# KiCad board IotFan.kicad_pcb (continued)
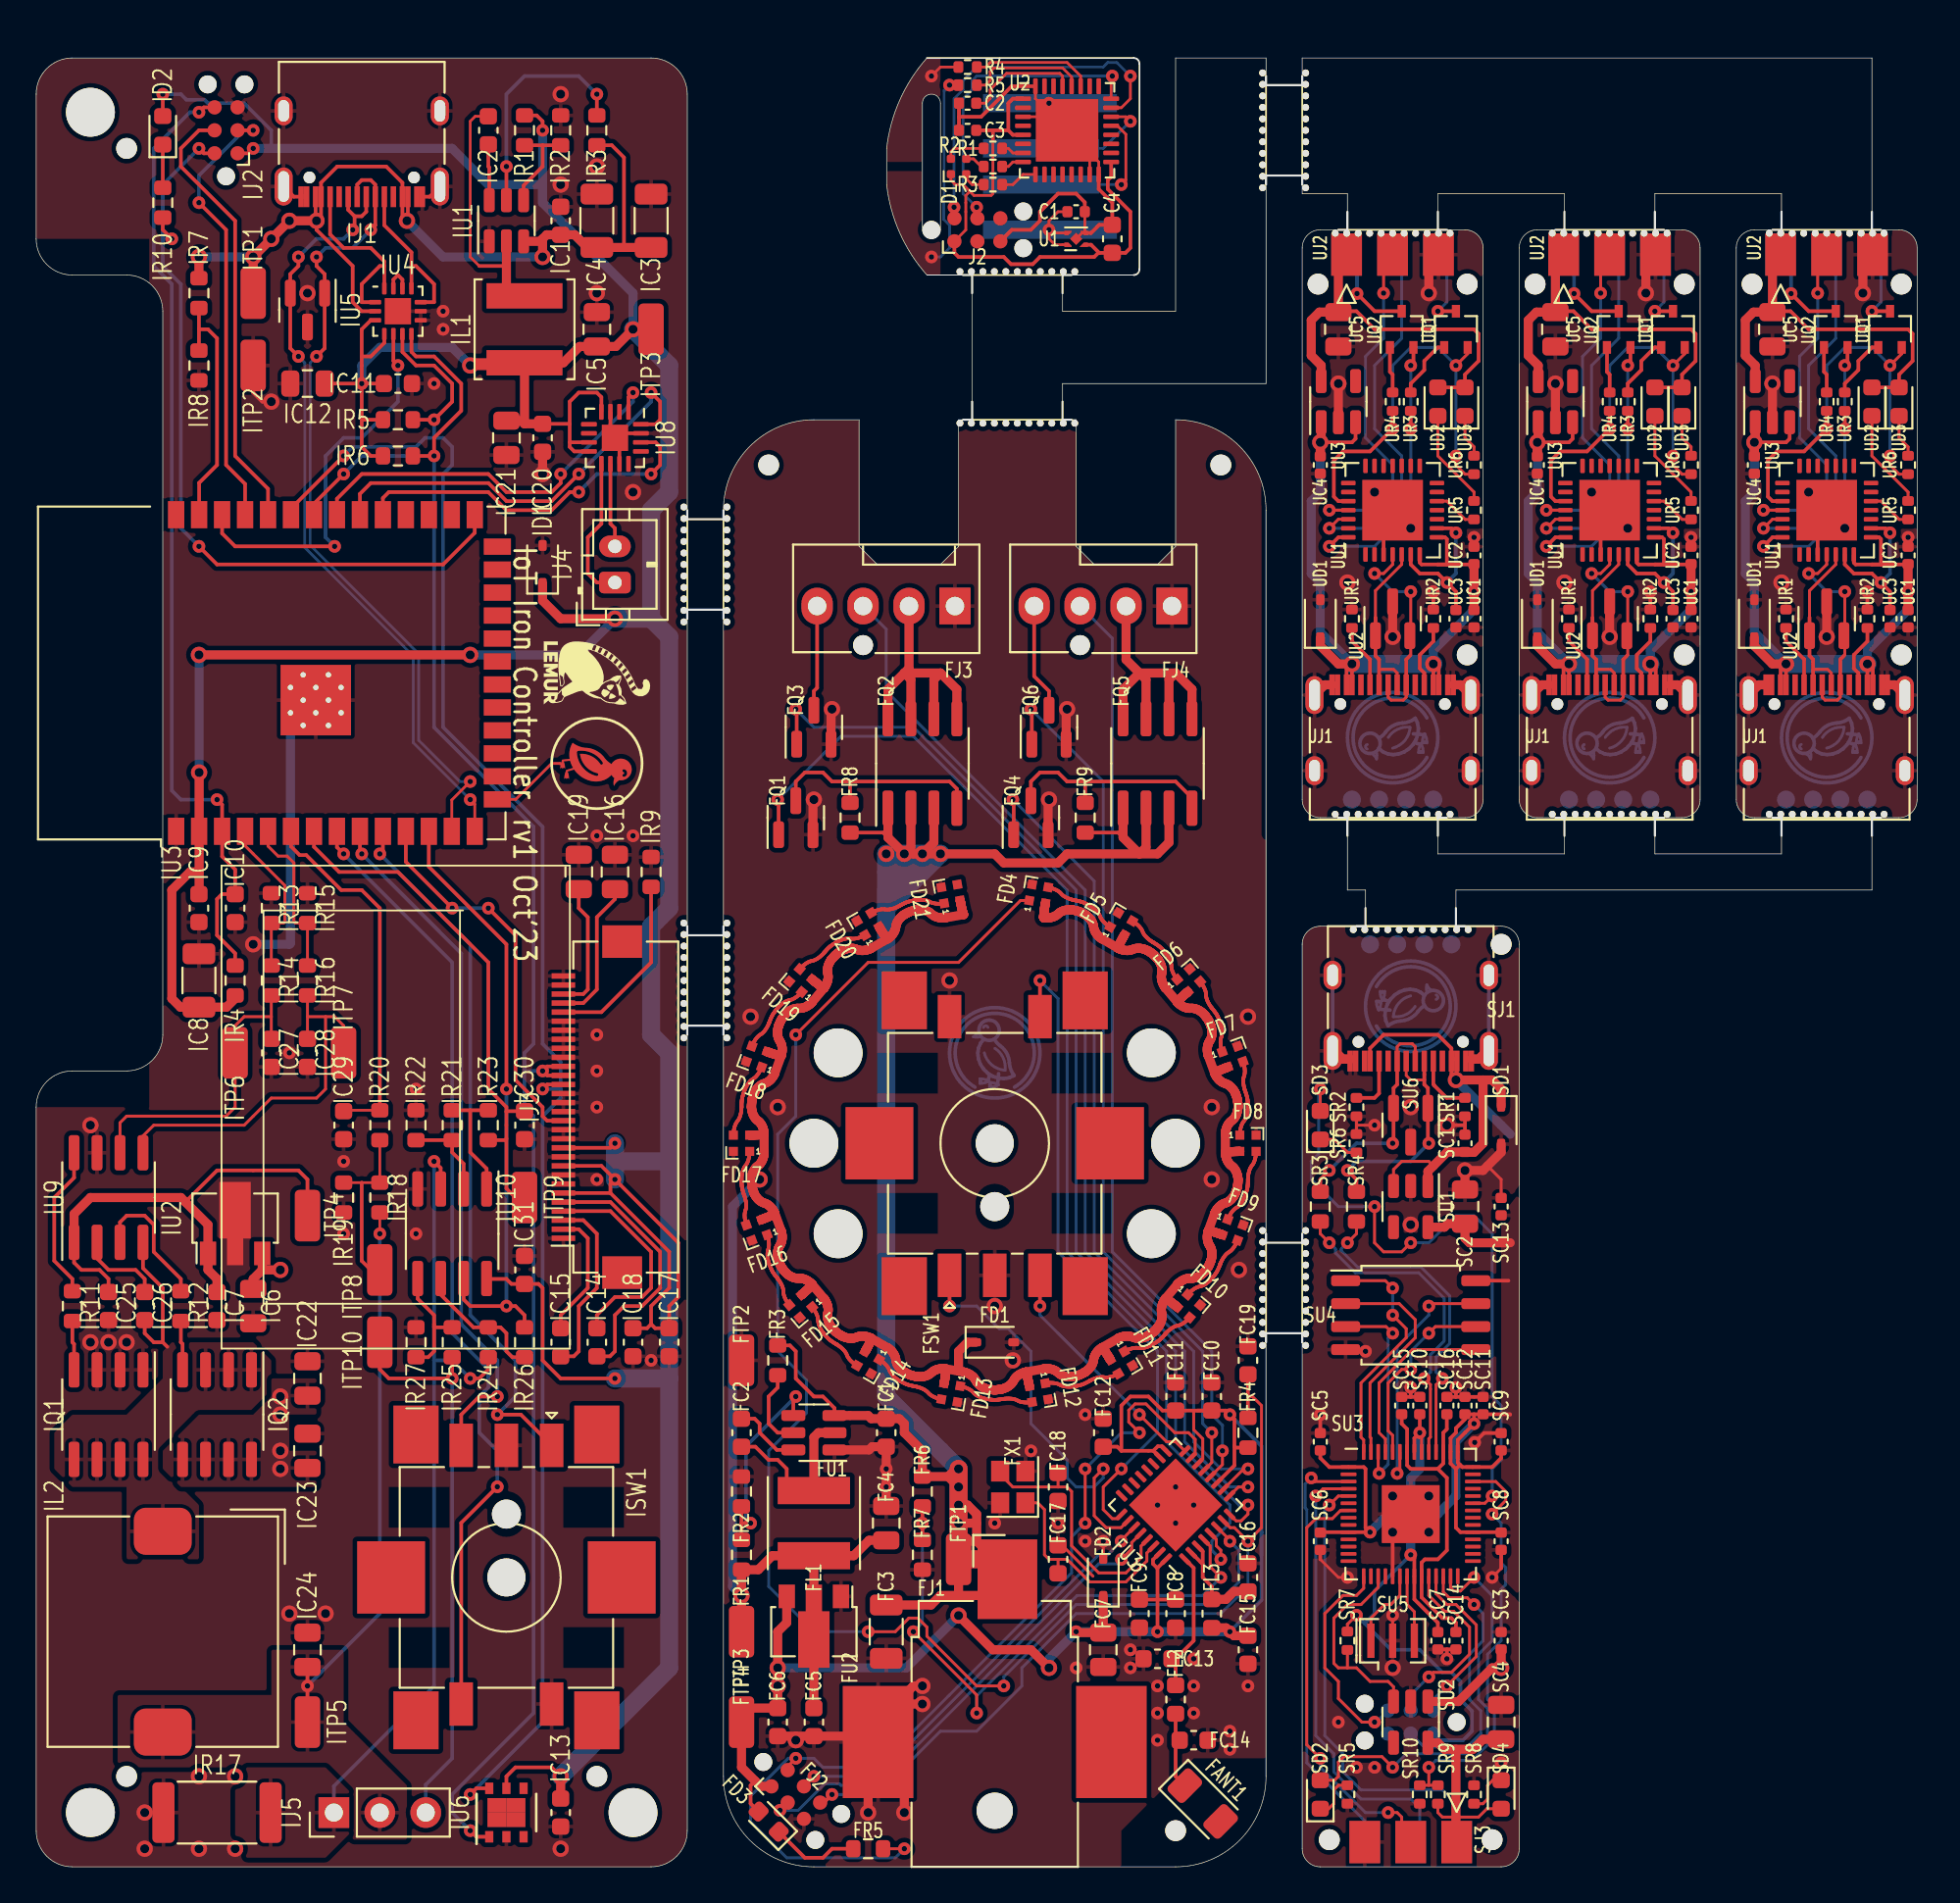
[diagram p0: board, top side]
## Routing (per net, layer and track width the routed paths; a pad name or vN(x,y) marks a point on that pad's centre or on a via; arc(x,y) is an arc through that point) (continued)
Frgb_ring.led[13].dout: length 3.9
  Front w0.2: 40.06,44.08 40.02,44 40,43.98 39.99,43.95 39.95,43.89 39.94,43.86 39.92,43.83 39.87,43.78 39.83,43.72 39.8,43.69 39.78,43.67 39.75,43.64 39.72,43.62 39.69,43.6 39.67,43.58 39.64,43.56 39.61,43.54 39.58,43.52 39.55,43.5 39.52,43.48 39.5,43.45 39.47,43.43 39.42,43.37 39.4,43.34 39.38,43.32 39.36,43.29 39.32,43.23 39.3,43.2 39.28,43.17 39.24,43.09 39.23,43.06 39.22,43.04 39.21,43.02 39.2,43 39.19,42.98 39.17,42.94 39.17,42.93 39.17,42.92 39.16,42.91 39.16,42.89 39.15,42.89 39.15,42.88 39.14,42.86 39.14,42.84 39.13,42.81 39.12,42.8 39.11,42.77 39.11,42.75 39.1,42.73 39.09,42.71 39.08,42.65 39.06,42.61 39.05,42.55 39.04,42.53 39.03,42.48 39.02,42.43 39.01,42.31 39.01,42.27 39.01,42.25 39,42.19 39,42.17 39,42.13 39,42.12 39,42.1 39,42.06 39,42.04 39,41.98 39,41.97 39,41.96 39,41.91 38.99,41.86 38.99,41.8 38.98,41.77 38.97,41.71 38.97,41.68 38.96,41.64 38.95,41.61 38.94,41.58 38.92,41.51 38.91,41.47 38.9,41.44 38.89,41.41 38.87,41.37 38.85,41.34 38.84,41.31 38.82,41.28 38.8,41.25 38.75,41.2 38.73,41.17 38.71,41.14 38.7,41.11 38.68,41.08 38.67,41.04 38.65,41.01 38.64,40.98 38.63,40.94 38.61,40.87 38.6,40.84 38.59,40.81 38.58,40.77 38.58,40.74 38.57,40.68 38.56,40.65 38.56,40.59
Frgb_ring.led[14].dout: length 3.9
  Front w0.2: 42.23,48.26 42.19,48.22 42.17,48.2 42.12,48.16 42.07,48.12 42.04,48.1 42.02,48.08 41.99,48.06 41.96,48.04 41.92,48.02 41.89,48 41.83,47.97 41.8,47.95 41.76,47.94 41.73,47.93 41.69,47.92 41.63,47.91 41.59,47.9 41.56,47.89 41.53,47.88 41.49,47.86 41.46,47.85 41.43,47.83 41.4,47.81 41.36,47.79 41.31,47.75 41.25,47.71 41.22,47.69 41.2,47.67 41.17,47.65 41.15,47.63 41.13,47.61 41.11,47.59 41.09,47.57 41.04,47.52 41.03,47.51 41.01,47.49 40.99,47.46 40.96,47.43 40.95,47.42 40.95,47.41 40.93,47.39 40.89,47.35 40.87,47.32 40.83,47.27 40.82,47.25 40.81,47.24 40.8,47.22 40.79,47.2 40.78,47.19 40.76,47.17 40.75,47.16 40.73,47.12 40.71,47.09 40.7,47.06 40.69,47.05 40.67,47.01 40.65,46.97 40.65,46.96 40.64,46.94 40.61,46.88 40.6,46.84 40.58,46.79 40.56,46.75 40.55,46.72 40.54,46.7 40.54,46.69 40.53,46.68 40.51,46.63 40.51,46.62 40.5,46.6 40.49,46.58 40.47,46.54 40.46,46.51 40.45,46.49 40.43,46.46 40.42,46.43 40.4,46.41 40.39,46.38 40.37,46.35 40.35,46.32 40.33,46.29 40.29,46.23 40.24,46.18 40.19,46.12 40.17,46.1 40.14,46.08 40.11,46.05 40.08,46.03 40.02,46 39.99,45.98 39.97,45.96 39.94,45.93 39.91,45.91 39.89,45.88 39.86,45.86 39.84,45.83 39.79,45.77 39.77,45.74 39.73,45.68 39.72,45.66 39.69,45.6 39.66,45.55 39.64,45.52 39.63,45.5
Frgb_ring.led[15].dout: length 3.9
  Front w0.2: 42.32,49.74 42.38,49.8 42.4,49.81 42.43,49.84 42.48,49.88 42.53,49.92 42.59,49.96 42.63,49.98 42.66,50 42.69,50.01 42.72,50.03 42.75,50.04 42.79,50.06 42.82,50.07 42.86,50.08 42.92,50.09 42.96,50.1 42.99,50.11 43.03,50.12 43.06,50.14 43.09,50.15 43.12,50.17 43.16,50.19 43.19,50.2 43.25,50.24 43.3,50.29 43.35,50.33 43.4,50.37 43.42,50.39 43.44,50.41 43.46,50.43 43.5,50.46 43.53,50.5 43.55,50.52 43.56,50.53 43.59,50.56 43.61,50.58 43.63,50.61 43.64,50.62 43.66,50.64 43.69,50.67 43.7,50.69 43.71,50.7 43.74,50.73 43.76,50.75 43.77,50.76 43.81,50.81 43.87,50.86 43.88,50.87 43.89,50.88 43.91,50.89 43.95,50.92 44,50.96 44.02,50.97 44.04,50.98 44.11,51.03 44.15,51.06 44.17,51.06 44.18,51.07 44.2,51.08 44.22,51.1 44.23,51.1 44.25,51.12 44.27,51.13 44.28,51.13 44.29,51.14 44.32,51.15 44.33,51.16 44.37,51.18 44.42,51.2 44.45,51.21 44.47,51.22 44.5,51.23 44.53,51.24 44.56,51.25 44.59,51.27 44.63,51.28 44.66,51.29 44.7,51.3 44.73,51.3 44.77,51.31 44.8,51.32 44.84,51.32 44.88,51.33 44.91,51.33 44.95,51.33 44.98,51.33 45.02,51.32 45.09,51.31 45.12,51.31 45.16,51.31 45.19,51.31 45.23,51.31 45.26,51.31 45.3,51.32 45.34,51.32 45.37,51.33 45.41,51.34 45.44,51.35 45.51,51.37 45.54,51.38 45.57,51.39 45.6,51.4 45.63,51.41 45.68,51.44 45.71,51.45
Frgb_ring.led[16].dout: length 3.9
  Front w0.2: 46.29,52.8 46.32,52.81 46.34,52.83 46.37,52.84 46.4,52.85 46.43,52.86 46.46,52.87 46.49,52.88 46.53,52.89 46.56,52.9 46.59,52.91 46.63,52.92 46.66,52.92 46.7,52.93 46.74,52.94 46.77,52.94 46.81,52.94 46.84,52.94 46.88,52.94 46.91,52.94 46.95,52.93 46.98,52.93 47.02,52.92 47.05,52.92 47.09,52.92 47.12,52.92 47.2,52.93 47.23,52.94 47.27,52.94 47.34,52.96 47.37,52.97 47.41,52.98 47.44,52.99 47.47,53 47.5,53.02 47.53,53.03 47.55,53.04 47.58,53.05 47.61,53.06 47.63,53.07 47.67,53.09 47.71,53.11 47.73,53.13 47.75,53.14 47.81,53.17 47.83,53.18 47.85,53.19 47.86,53.2 47.9,53.22 47.92,53.22 47.95,53.24 48.01,53.27 48.05,53.29 48.08,53.3 48.1,53.31 48.11,53.32 48.16,53.34 48.18,53.34 48.2,53.35 48.22,53.35 48.23,53.36 48.25,53.36 48.27,53.37 48.33,53.39 48.35,53.39 48.37,53.39 48.39,53.4 48.41,53.4 48.45,53.41 48.47,53.42 48.5,53.42 48.55,53.43 48.58,53.44 48.6,53.44 48.62,53.44 48.65,53.45 48.69,53.45 48.72,53.45 48.74,53.46 48.77,53.46 48.8,53.46 48.86,53.46 48.92,53.46 48.99,53.46 49.06,53.45 49.13,53.44 49.2,53.43 49.24,53.42 49.27,53.41 49.31,53.4 49.34,53.39 49.37,53.37 49.4,53.35 49.43,53.34 49.46,53.32 49.5,53.31 49.53,53.3 49.6,53.28 49.67,53.26 49.74,53.25 49.81,53.25 49.88,53.24 49.95,53.24 50.01,53.25 50.04,53.25 50.06,53.25
Fv3v3: length 98.2
  Front w0.16: FU3.14 64.5,22.56 64.5,23.67 64,24.17 64,25.22 64.22,25.22
  Front w0.2: 61.77,23 FU3.18 ; 61.77,23 60,23 ; 61.77,23 62.02,23.25 62.25,23.25 62.49,23.01 FU3.17 ; FC10.1 64.22,25.22 ; FC10.1 65.78,25.22 v2(66,25) 66.25,24.75 66.25,23.25 ; FC10.1 FC11.1 62.28,25.22 61.5,26 60.5,26 60,25.5 60,23 ; FC12.1 59.78,23.22 60,23 ; FU3.11 66.25,22.19 66.25,23.25 ; FU3.31 61.75,16.98 61.75,16.75 61.97,16.53 62,16.53 ; 66.25,23.25 66.33,23.17 FR4.1 ; FC9.1 FC8.1 ; 66.22,12.78 65.79,13.21 ; 62,16.53 v2(62,13) ; 62,16.53 FU3.32 ; FD3.2 39.5,3.5 39.5,4.5 39.75,4.75
  Front w0.5: v2(57.5,13) 57.55,12.95 FC7.1 FD2.1 ; FC15.1 66.22,12.78 v2(66,13) 65.79,13.21 FL3.1 ; v1(56,11) 55,12 52.89,12 v1(51,13.89) ; 39,9 39.22,8.78 FC6.1 41,13 41.5,13.5 FU2.3 ; FTP4.1 39,5.5 40.05,4.45 FJ2.1
  Back w0.16: 67.75,14.75 67.75,17.25
  Back w0.2: v2(66,13) 67.75,14.75 67.75,18.5 ; 67.75,18.5 67.75,23.25 v2(66,25) ; 67.75,18.5 67.75,17.25
  Back w0.5: v1(51,13.89) 48.11,11 v1(41,11) v1(41,10) ; v2(66,13) v2(62,13) v2(57.5,13) 56,11.5 v1(56,11)
Fv5: length 150.2
  Front w0.5: FD1.1 51.5,29 51,28.5 51,27.41 ; 45.84,28.49 45.85,28.51 45.86,28.53 45.88,28.57 45.91,28.62 45.94,28.67 45.95,28.69 45.96,28.71 45.97,28.73 45.98,28.75 45.99,28.77 46.02,28.82 46.04,28.86 46.06,28.91 46.08,28.94 46.09,28.96 46.1,28.98 46.12,29.03 46.14,29.08 46.15,29.09 46.16,29.11 46.17,29.13 46.17,29.14 46.17,29.15 46.18,29.17 46.19,29.19 46.19,29.2 46.19,29.21 ; 47.06,51.29 46.19,50.79 46.18,50.78 46.14,50.77 46.11,50.75 46.09,50.74 46.04,50.72 46.02,50.72 45.96,50.7 45.9,50.68 45.86,50.67 45.83,50.67 45.79,50.66 45.72,50.66 45.68,50.66 45.64,50.66 45.61,50.66 45.57,50.66 45.53,50.67 45.49,50.68 45.45,50.69 45.41,50.7 45.37,50.72 45.33,50.74 45.29,50.75 45.25,50.76 45.21,50.77 45.17,50.78 45.13,50.78 45.09,50.78 45.05,50.78 45.02,50.78 44.94,50.78 44.91,50.77 44.84,50.76 44.78,50.74 44.72,50.72 44.69,50.72 44.65,50.7 44.63,50.69 44.61,50.68 44.59,50.67 44.58,50.67 44.56,50.66 44.54,50.64 44.52,50.64 44.5,50.63 44.49,50.61 44.47,50.61 44.45,50.59 44.41,50.57 44.4,50.56 44.36,50.53 44.33,50.52 44.32,50.51 44.28,50.48 44.25,50.45 44.24,50.44 44.23,50.44 44.19,50.41 44.15,50.36 44.14,50.35 44.12,50.34 44.06,50.27 44,50.2 43.98,50.18 43.97,50.17 43.97,50.16 43.96,50.15 43.94,50.12 43.93,50.1 43.92,50.08 43.89,50.04 43.86,49.99 43.84,49.94 43.82,49.91 43.81,49.87 43.8,49.84 43.79,49.81 43.78,49.77 43.76,49.7 43.75,49.66 43.75,49.62 43.75,49.58 43.75,49.54 43.75,49.5 43.75,49.46 43.76,49.42 43.78,49.34 43.78,49.3 43.79,49.25 43.79,49.21 43.79,49.17 43.79,49.13 43.78,49.09 43.78,49.06 43.77,49.02 43.76,48.98 43.75,48.95 43.74,48.92 43.73,48.88 43.71,48.85 43.7,48.82 43.69,48.79 43.67,48.77 43.66,48.74 43.63,48.69 43.6,48.64 43.59,48.62 43.58,48.61 43.57,48.6 43.55,48.58 ; 47.06,51.29 47.09,51.31 47.12,51.33 47.15,51.36 47.19,51.39 47.26,51.45 47.28,51.47 47.3,51.49 47.32,51.52 47.35,51.55 47.37,51.57 47.39,51.6 47.41,51.63 47.43,51.67 47.45,51.7 47.47,51.73 47.48,51.77 47.5,51.81 47.51,51.85 47.52,51.89 47.53,51.93 47.53,51.97 47.54,52.01 47.55,52.05 47.56,52.09 47.57,52.13 47.58,52.17 47.6,52.21 47.62,52.24 47.64,52.27 47.66,52.31 47.68,52.34 47.7,52.37 47.72,52.39 47.74,52.42 47.76,52.45 47.79,52.47 47.81,52.49 47.85,52.53 47.89,52.57 47.91,52.58 47.96,52.62 48,52.64 48.01,52.65 48.02,52.66 48.06,52.67 48.09,52.69 48.1,52.7 48.11,52.71 48.14,52.72 48.15,52.73 48.2,52.75 48.21,52.76 48.25,52.78 48.28,52.79 48.35,52.82 48.38,52.83 48.39,52.83 48.44,52.84 48.45,52.85 48.47,52.85 48.48,52.85 48.52,52.86 48.53,52.86 48.55,52.87 48.59,52.88 48.62,52.88 48.66,52.89 48.69,52.9 48.71,52.9 48.72,52.9 48.75,52.91 48.77,52.91 48.79,52.91 48.83,52.91 48.86,52.91 48.95,52.91 48.98,52.9 49.01,52.9 49.04,52.89 49.08,52.89 49.11,52.88 49.15,52.87 49.18,52.86 49.22,52.85 49.26,52.84 49.29,52.82 49.33,52.8 49.36,52.78 49.4,52.76 49.43,52.74 49.46,52.71 49.53,52.66 49.56,52.63 49.59,52.61 49.63,52.58 49.66,52.56 49.7,52.55 49.73,52.53 49.77,52.52 49.8,52.5 49.84,52.5 49.88,52.49 49.91,52.48 49.94,52.47 49.98,52.47 50.01,52.46 50.04,52.46 50.07,52.46 50.1,52.46 50.16,52.46 50.22,52.46 50.24,52.46 50.26,52.46 50.29,52.47 50.29,52.47 51.28,52.64 51.27,52.66 51.26,52.67 51.25,52.71 51.24,52.76 51.22,52.81 51.22,52.83 51.2,52.88 51.17,53.03 51.16,53.06 51.16,53.08 51.14,53.17 51.13,53.2 51.13,53.22 51.12,53.26 51.12,53.28 51.11,53.3 51.11,53.31 51.1,53.34 51.1,53.36 51.1,53.38 51.1,53.39 51.09,53.42 51.09,53.42 ; 47.06,51.29 47.05,51.3 47.02,51.33 47,51.35 46.98,51.39 46.97,51.4 46.95,51.43 46.92,51.47 46.91,51.49 46.89,51.51 46.87,51.55 46.85,51.57 46.8,51.66 46.77,51.7 46.76,51.72 46.74,51.74 46.73,51.76 46.72,51.78 46.71,51.8 46.7,51.82 46.68,51.85 46.65,51.89 46.63,51.93 46.62,51.95 46.61,51.96 ; FD18.2 40.43,45.05 40.45,45.05 40.47,45.04 40.48,45.04 40.51,45.03 40.53,45.02 40.54,45.02 40.58,45 40.64,44.98 40.68,44.97 40.7,44.96 40.73,44.95 40.78,44.94 40.8,44.93 40.88,44.91 40.9,44.9 40.93,44.89 40.95,44.88 40.97,44.88 41,44.87 41.02,44.86 41.05,44.86 41.07,44.85 41.08,44.85 41.1,44.84 41.11,44.84 41.14,44.83 41.16,44.83 41.18,44.83 41.19,44.83 41.19,44.83 ; 58.94,28.71 58.91,28.69 58.88,28.67 58.85,28.64 58.81,28.61 58.74,28.55 58.72,28.53 58.7,28.51 58.68,28.48 58.65,28.45 58.63,28.43 58.61,28.4 58.59,28.37 58.57,28.33 58.55,28.3 58.53,28.27 58.52,28.23 58.5,28.19 58.49,28.15 58.48,28.11 58.47,28.07 58.47,28.03 58.46,27.99 58.45,27.95 58.44,27.91 58.43,27.87 58.42,27.83 58.4,27.79 58.38,27.76 58.36,27.73 58.34,27.69 58.32,27.66 58.3,27.63 58.28,27.61 58.26,27.58 58.24,27.55 58.21,27.53 58.19,27.51 58.15,27.47 58.11,27.43 58.09,27.42 58.04,27.38 58,27.36 57.99,27.35 57.98,27.34 57.94,27.33 57.91,27.31 57.9,27.3 57.89,27.29 57.86,27.28 57.85,27.27 57.8,27.25 57.79,27.24 57.75,27.22 57.72,27.21 57.65,27.18 57.62,27.17 57.61,27.17 57.56,27.16 57.55,27.15 57.53,27.15 57.52,27.15 57.48,27.14 57.47,27.14 57.45,27.13 57.41,27.12 57.38,27.12 57.34,27.11 57.31,27.1 57.29,27.1 57.28,27.1 57.25,27.09 57.23,27.09 57.21,27.09 57.17,27.09 57.14,27.09 57.05,27.09 57.02,27.1 56.99,27.1 56.96,27.11 56.92,27.11 56.89,27.12 56.85,27.13 56.82,27.14 56.78,27.15 56.74,27.16 56.71,27.18 56.67,27.2 56.64,27.22 56.6,27.24 56.57,27.26 56.54,27.29 56.47,27.34 56.44,27.37 56.41,27.39 56.37,27.42 56.34,27.44 56.3,27.45 56.27,27.47 56.23,27.48 56.2,27.5 56.16,27.5 56.12,27.51 56.09,27.52 56.06,27.53 56.02,27.53 55.99,27.54 55.96,27.54 55.93,27.54 55.9,27.54 55.84,27.54 55.78,27.54 55.76,27.54 55.74,27.54 55.71,27.53 55.71,27.53 54.72,27.36 ; 58.94,28.71 58.95,28.7 58.98,28.67 59,28.65 59.02,28.61 59.03,28.6 59.05,28.57 59.08,28.53 59.09,28.51 59.11,28.49 59.13,28.45 59.15,28.43 59.2,28.34 59.23,28.3 59.24,28.28 59.26,28.26 59.27,28.24 59.28,28.22 59.29,28.2 59.3,28.18 59.32,28.15 59.35,28.11 59.37,28.07 59.38,28.05 59.39,28.04 ; 58.94,28.71 59.81,29.21 59.82,29.22 59.86,29.23 59.89,29.25 59.91,29.26 59.96,29.28 59.98,29.28 60.04,29.3 60.1,29.32 60.14,29.33 60.17,29.33 60.21,29.34 60.28,29.34 60.32,29.34 60.36,29.34 60.39,29.34 60.43,29.34 60.47,29.33 60.51,29.32 60.55,29.31 60.59,29.3 60.63,29.28 60.67,29.26 60.71,29.25 60.75,29.24 60.79,29.23 60.83,29.22 60.87,29.22 60.91,29.22 60.95,29.22 60.98,29.22 61.06,29.22 61.09,29.23 61.16,29.24 61.22,29.26 61.28,29.28 61.31,29.28 61.35,29.3 61.37,29.31 61.39,29.32 61.41,29.33 61.42,29.33 61.44,29.34 61.46,29.36 61.48,29.36 61.5,29.37 61.51,29.39 61.53,29.39 61.55,29.41 61.59,29.43 61.6,29.44 61.64,29.47 61.67,29.48 61.68,29.49 61.72,29.52 61.75,29.55 61.76,29.56 61.77,29.56 61.81,29.59 61.85,29.64 61.86,29.65 61.88,29.66 61.94,29.73 62,29.8 62.02,29.82 62.03,29.83 62.03,29.84 62.04,29.85 62.06,29.88 62.07,29.9 62.08,29.92 62.11,29.96 62.14,30.01 62.16,30.06 62.18,30.09 62.19,30.13 62.2,30.16 62.21,30.19 62.22,30.23 62.24,30.3 62.25,30.34 62.25,30.38 62.25,30.42 62.25,30.46 62.25,30.5 62.25,30.54 62.24,30.58 62.22,30.66 62.22,30.7 62.21,30.75 62.21,30.79 62.21,30.83 62.21,30.87 62.22,30.91 62.22,30.94 62.23,30.98 62.24,31.02 62.25,31.05 62.26,31.08 62.27,31.12 62.29,31.15 62.3,31.18 62.31,31.21 62.33,31.23 62.34,31.26 62.37,31.31 62.4,31.36 62.41,31.38 62.42,31.39 62.43,31.4 62.45,31.42 ; 55.8,53.26 55.79,53.23 55.78,53.19 55.78,53.17 55.77,53.12 55.76,53.06 55.76,53.02 55.75,52.99 55.75,52.97 55.75,52.95 55.74,52.9 55.74,52.87 55.73,52.82 55.73,52.79 55.72,52.71 55.71,52.65 55.71,52.61 55.7,52.55 55.7,52.54 55.7,52.49 55.7,52.48 55.71,52.47 55.73,52.47 55.74,52.46 55.76,52.46 55.78,52.46 55.84,52.46 55.9,52.46 55.93,52.46 55.96,52.46 55.99,52.46 56.02,52.47 56.06,52.47 56.09,52.48 56.12,52.49 56.16,52.5 56.2,52.5 56.23,52.52 56.27,52.53 56.3,52.55 56.34,52.56 56.37,52.58 56.41,52.61 56.44,52.63 56.47,52.66 56.54,52.71 56.57,52.74 56.6,52.76 56.64,52.78 56.67,52.8 56.71,52.82 56.74,52.84 56.78,52.85 56.82,52.86 56.85,52.87 56.89,52.88 56.92,52.89 56.96,52.89 56.99,52.9 57.02,52.9 57.05,52.91 57.14,52.91 57.17,52.91 57.21,52.91 57.23,52.91 57.25,52.91 57.28,52.9 57.3,52.9 57.33,52.89 57.37,52.89 57.38,52.88 57.42,52.88 57.45,52.87 57.47,52.86 57.48,52.86 57.52,52.85 57.53,52.85 57.55,52.85 57.56,52.84 57.61,52.83 57.62,52.83 57.65,52.82 57.69,52.8 57.72,52.79 57.76,52.77 57.79,52.76 57.82,52.74 57.85,52.73 57.87,52.71 57.89,52.71 57.9,52.7 57.91,52.69 57.94,52.68 57.96,52.67 57.98,52.65 58,52.64 58.03,52.63 58.05,52.61 58.09,52.58 58.11,52.57 58.15,52.53 58.19,52.49 58.21,52.47 58.24,52.45 58.26,52.42 58.28,52.39 58.3,52.37 58.32,52.34 58.34,52.31 58.36,52.27 58.38,52.24 58.4,52.21 58.42,52.17 58.43,52.13 58.44,52.09 58.45,52.05 58.46,52.01 58.47,51.97 58.47,51.93 58.48,51.89 58.49,51.85 58.5,51.81 58.52,51.77 58.53,51.73 58.55,51.7 58.57,51.67 58.59,51.63 58.61,51.6 58.63,51.57 58.65,51.55 58.68,51.52 58.7,51.49 58.72,51.47 58.74,51.45 58.81,51.39 58.85,51.36 58.88,51.33 58.91,51.31 58.93,51.3 58.94,51.29 59.81,50.79 ; 46.19,29.21 47.06,28.71 47.09,28.69 47.12,28.67 47.15,28.64 47.19,28.61 47.26,28.55 47.28,28.53 47.3,28.51 47.32,28.48 47.35,28.45 47.37,28.43 47.39,28.4 47.41,28.37 47.43,28.33 47.45,28.3 47.47,28.27 47.48,28.23 47.5,28.19 47.51,28.15 47.52,28.11 47.53,28.07 47.53,28.03 47.54,27.99 47.55,27.95 47.56,27.91 47.57,27.87 47.58,27.83 47.6,27.79 47.62,27.76 47.64,27.73 47.66,27.69 47.68,27.66 47.7,27.63 47.72,27.61 47.74,27.58 47.76,27.55 47.79,27.53 47.81,27.51 47.85,27.47 47.89,27.43 47.91,27.42 47.96,27.38 48,27.36 48.01,27.35 48.02,27.34 48.06,27.33 48.09,27.31 48.1,27.3 48.11,27.29 48.14,27.28 48.15,27.27 48.2,27.25 48.21,27.24 48.25,27.22 48.28,27.21 48.35,27.18 48.38,27.17 48.39,27.17 48.44,27.16 48.45,27.15 48.47,27.15 48.48,27.15 48.52,27.14 48.53,27.14 48.55,27.13 48.59,27.12 48.62,27.12 48.66,27.11 48.69,27.1 48.71,27.1 48.72,27.1 48.75,27.09 48.77,27.09 48.79,27.09 48.83,27.09 48.86,27.09 48.95,27.09 48.98,27.1 49.01,27.1 49.04,27.11 49.08,27.11 49.11,27.12 49.15,27.13 49.18,27.14 49.22,27.15 49.26,27.16 49.29,27.18 49.33,27.2 49.36,27.22 49.4,27.24 49.43,27.26 49.46,27.29 49.53,27.34 49.56,27.37 49.59,27.39 49.63,27.42 49.66,27.44 49.7,27.45 49.73,27.47 49.77,27.48 49.8,27.5 49.84,27.5 49.88,27.51 49.91,27.52 49.94,27.53 49.98,27.53 50.01,27.54 50.04,27.54 50.07,27.54 50.1,27.54 50.16,27.54 50.22,27.54 50.24,27.54 50.26,27.54 50.29,27.53 50.29,27.53 ; 46.19,29.21 46.14,29.23 46.11,29.25 46.09,29.26 46.04,29.28 46.02,29.28 45.96,29.3 45.9,29.32 45.86,29.33 45.83,29.33 45.79,29.34 45.72,29.34 45.68,29.34 45.64,29.34 45.61,29.34 45.57,29.34 45.53,29.33 45.49,29.32 45.45,29.31 45.41,29.3 45.37,29.28 45.33,29.26 45.29,29.25 45.25,29.24 45.21,29.23 45.17,29.22 45.13,29.22 45.09,29.22 45.05,29.22 45.02,29.22 44.94,29.22 44.91,29.23 44.84,29.24 44.78,29.26 44.72,29.28 44.69,29.28 44.65,29.3 44.63,29.31 44.61,29.32 44.59,29.33 44.58,29.33 44.56,29.34 44.54,29.36 44.52,29.36 44.5,29.37 44.49,29.39 44.47,29.39 44.45,29.41 44.41,29.43 44.4,29.44 44.36,29.47 44.33,29.48 44.32,29.49 44.28,29.52 44.25,29.55 44.24,29.56 44.23,29.56 44.19,29.59 44.15,29.64 44.14,29.65 44.12,29.66 44.06,29.73 44,29.8 43.98,29.82 43.97,29.83 43.97,29.84 43.96,29.85 43.94,29.88 43.93,29.9 43.92,29.92 43.89,29.96 43.86,30.01 43.84,30.06 43.82,30.09 43.81,30.13 43.8,30.16 43.79,30.19 43.78,30.23 43.76,30.3 43.75,30.34 43.75,30.38 43.75,30.42 43.75,30.46 43.75,30.5 43.75,30.54 43.76,30.58 43.78,30.66 43.78,30.7 43.79,30.75 43.79,30.79 43.79,30.83 43.79,30.87 43.78,30.91 43.78,30.94 43.77,30.98 43.76,31.02 43.75,31.05 43.74,31.08 43.73,31.12 43.71,31.15 43.7,31.18 43.69,31.21 43.67,31.23 43.66,31.26 43.63,31.31 43.6,31.36 43.59,31.38 43.58,31.39 43.57,31.4 43.55,31.42 42.91,32.19 ; 54.72,27.36 54.73,27.34 54.74,27.33 54.75,27.29 54.76,27.24 54.78,27.19 54.78,27.17 54.8,27.12 54.83,26.97 54.84,26.94 54.84,26.92 54.86,26.83 54.87,26.8 54.87,26.78 54.88,26.74 54.88,26.72 54.89,26.7 54.89,26.69 54.9,26.66 54.9,26.64 54.9,26.62 54.9,26.61 54.91,26.58 54.91,26.58 ; 54.72,27.36 54.7,27.35 54.67,27.34 54.61,27.33 54.56,27.31 54.54,27.3 54.51,27.29 54.48,27.28 54.42,27.25 54.39,27.23 54.36,27.22 54.33,27.2 54.3,27.18 54.27,27.16 54.25,27.13 54.19,27.08 54.16,27.05 54.13,27.02 54.11,26.99 54.09,26.96 54.06,26.92 54.02,26.84 54,26.81 53.98,26.77 53.95,26.74 53.93,26.71 53.9,26.68 53.87,26.66 53.84,26.63 53.81,26.61 53.78,26.59 53.75,26.57 53.72,26.55 53.69,26.53 53.66,26.51 53.63,26.5 53.61,26.48 53.58,26.47 53.55,26.46 53.52,26.45 53.5,26.44 53.45,26.43 53.4,26.42 53.37,26.41 53.34,26.4 53.33,26.4 53.32,26.4 53.29,26.39 53.28,26.39 53.26,26.39 53.19,26.38 53.15,26.38 53.14,26.38 53.11,26.37 53.03,26.37 52.97,26.37 52.89,26.37 52.86,26.38 52.85,26.38 52.75,26.39 52.74,26.39 52.72,26.39 52.71,26.39 52.68,26.4 52.67,26.4 52.63,26.41 52.6,26.42 52.55,26.43 52.5,26.44 52.48,26.45 52.45,26.46 52.42,26.47 52.39,26.48 52.37,26.5 52.34,26.51 52.31,26.53 52.28,26.55 52.25,26.57 52.22,26.59 52.19,26.61 52.16,26.63 52.13,26.66 52.1,26.68 52.07,26.71 52.05,26.74 52.02,26.77 52,26.81 51.98,26.84 51.94,26.92 51.91,26.96 51.89,26.99 51.87,27.02 51.84,27.05 51.81,27.08 51.75,27.13 51.73,27.16 51.7,27.18 51.67,27.2 51.64,27.22 51.61,27.23 51.58,27.25 51.52,27.28 51.49,27.29 51.46,27.3 51.44,27.31 51.39,27.33 51.33,27.34 51.3,27.35 51.28,27.36 51,27.41 ; 65.75,39.5 65.75,39.49 65.75,39.45 65.75,39.43 65.76,39.41 65.76,39.39 65.77,39.34 65.77,39.31 65.78,39.28 65.79,39.22 65.8,39.19 65.81,39.16 65.83,39.12 65.84,39.09 65.85,39.06 65.87,39.02 65.89,38.99 65.91,38.96 65.93,38.93 65.95,38.89 65.98,38.86 66,38.83 66.03,38.8 66.07,38.78 66.13,38.72 66.17,38.7 66.19,38.67 66.22,38.64 66.25,38.61 66.27,38.57 66.29,38.54 66.31,38.51 66.33,38.48 66.35,38.44 66.36,38.41 66.37,38.38 66.39,38.34 66.4,38.31 66.41,38.28 66.42,38.22 66.43,38.19 66.43,38.16 66.44,38.11 66.44,38.09 66.45,38.07 66.45,38.03 66.45,37.97 66.45,37.96 66.45,37.94 66.45,37.91 66.45,37.89 66.45,37.88 66.45,37.86 66.45,37.85 66.44,37.74 66.44,37.72 66.44,37.7 66.43,37.63 66.42,37.62 66.42,37.59 66.41,37.56 66.41,37.55 66.4,37.53 66.39,37.5 66.39,37.47 66.38,37.45 66.37,37.41 66.36,37.39 66.34,37.34 66.34,37.32 66.33,37.31 66.33,37.3 66.33,37.29 66.32,37.27 66.31,37.26 66.31,37.24 66.3,37.23 66.28,37.19 66.28,37.18 66.26,37.15 66.24,37.11 66.22,37.08 66.19,37.03 66.17,37 66.15,36.98 66.12,36.95 66.1,36.92 66.07,36.9 66.05,36.87 66.02,36.85 65.99,36.82 65.96,36.8 65.92,36.78 65.89,36.76 65.86,36.74 65.82,36.72 65.78,36.71 65.74,36.69 65.7,36.68 65.66,36.67 65.62,36.65 65.58,36.63 65.55,36.61 65.52,36.59 65.49,36.56 65.46,36.54 65.43,36.52 65.4,36.49 65.38,36.46 65.33,36.41 65.31,36.38 65.29,36.36 65.27,36.33 65.24,36.28 65.22,36.26 65.21,36.23 65.18,36.17 65.17,36.14 65.16,36.13 65.15,36.11 65.15,36.11 64.81,35.17 ; 65.75,39.5 65.76,39.51 65.79,39.51 65.81,39.51 65.82,39.52 65.84,39.52 65.86,39.52 65.87,39.52 65.89,39.52 65.92,39.53 65.94,39.53 65.99,39.53 66.02,39.53 66.05,39.53 66.07,39.54 66.1,39.54 66.28,39.55 66.3,39.55 66.32,39.55 66.34,39.55 66.36,39.55 66.38,39.55 66.4,39.55 66.42,39.55 66.47,39.55 66.49,39.55 FD8.2 ; 65.75,39.5 65.75,40.51 65.75,40.55 65.75,40.57 65.76,40.59 65.76,40.61 65.77,40.66 65.77,40.69 65.78,40.72 65.79,40.78 65.8,40.81 65.81,40.84 65.83,40.88 65.84,40.91 65.85,40.94 65.87,40.98 65.89,41.01 65.91,41.04 65.93,41.07 65.95,41.11 65.98,41.14 66,41.17 66.03,41.2 66.07,41.22 66.13,41.28 66.17,41.3 66.19,41.33 66.22,41.36 66.25,41.39 66.27,41.43 66.29,41.46 66.31,41.49 66.33,41.52 66.35,41.56 66.36,41.59 66.37,41.62 66.39,41.66 66.4,41.69 66.41,41.72 66.42,41.78 66.43,41.81 66.43,41.84 66.44,41.89 66.44,41.91 66.45,41.93 66.45,41.97 66.45,42.03 66.45,42.04 66.45,42.06 66.45,42.09 66.45,42.11 66.45,42.12 66.45,42.14 66.45,42.15 66.44,42.26 66.44,42.28 66.44,42.3 66.43,42.37 66.42,42.38 66.42,42.41 66.41,42.44 66.41,42.45 66.4,42.47 66.39,42.5 66.39,42.53 66.38,42.55 66.37,42.59 66.36,42.61 66.34,42.66 66.34,42.68 66.33,42.69 66.33,42.7 66.33,42.71 66.32,42.73 66.31,42.74 66.31,42.76 66.3,42.77 66.28,42.81 66.28,42.82 66.26,42.85 66.24,42.89 66.22,42.92 66.19,42.97 66.17,43 66.15,43.02 66.12,43.05 66.1,43.08 66.07,43.1 66.05,43.13 66.02,43.15 65.99,43.18 65.96,43.2 65.92,43.22 65.89,43.24 65.86,43.26 65.82,43.28 65.78,43.29 65.74,43.31 65.7,43.32 65.66,43.33 65.62,43.35 65.58,43.37 65.55,43.39 65.52,43.41 65.49,43.44 65.46,43.46 65.43,43.48 65.4,43.51 65.38,43.54 65.33,43.59 65.31,43.62 65.29,43.64 65.27,43.67 65.24,43.72 65.22,43.74 65.21,43.77 65.18,43.83 65.17,43.86 65.16,43.87 65.15,43.89 65.15,43.89 ; 50.29,27.53 51,27.41 ; 50.29,27.53 50.3,27.52 50.3,27.47 50.3,27.46 50.3,27.45 50.29,27.41 50.29,27.39 50.29,27.35 50.28,27.31 50.28,27.29 50.27,27.21 50.27,27.18 50.26,27.13 50.26,27.1 50.25,27.05 50.25,27.03 50.25,27.01 50.24,26.98 50.23,26.92 50.22,26.86 50.22,26.83 50.22,26.8 50.21,26.76 50.2,26.74 ; 41.19,44.83 40.85,43.89 40.84,43.87 40.83,43.86 40.82,43.83 40.8,43.79 40.79,43.77 40.78,43.74 40.76,43.72 40.73,43.67 40.71,43.64 40.69,43.62 40.67,43.59 40.62,43.54 40.6,43.51 40.57,43.48 40.54,43.46 40.51,43.44 40.48,43.41 40.45,43.39 40.42,43.37 40.38,43.35 40.34,43.33 40.3,43.32 40.26,43.31 40.22,43.29 40.18,43.28 40.14,43.26 40.11,43.24 40.08,43.22 40.04,43.2 40.01,43.18 39.98,43.15 39.95,43.13 39.93,43.1 39.9,43.08 39.88,43.05 39.85,43.02 39.83,43 39.8,42.94 39.78,42.92 39.76,42.89 39.74,42.85 39.72,42.82 39.72,42.81 39.7,42.77 39.69,42.76 39.69,42.74 39.68,42.73 39.67,42.7 39.67,42.7 39.67,42.69 39.66,42.68 39.65,42.63 39.64,42.61 39.63,42.58 39.62,42.55 39.61,42.53 39.61,42.5 39.6,42.47 39.59,42.45 39.59,42.44 39.58,42.41 39.58,42.38 39.57,42.33 39.56,42.3 39.56,42.28 39.56,42.26 39.55,42.15 39.55,42.14 39.55,42.12 39.55,42.11 39.55,42.09 39.55,42.06 39.55,42.04 39.55,41.99 39.55,41.95 39.55,41.93 39.56,41.91 39.56,41.89 39.57,41.84 39.57,41.81 39.58,41.78 39.59,41.72 39.6,41.69 39.61,41.66 39.63,41.62 39.64,41.59 39.65,41.56 39.67,41.52 39.69,41.49 39.71,41.46 39.73,41.43 39.75,41.39 39.78,41.36 39.81,41.33 39.83,41.3 39.87,41.28 39.93,41.22 39.97,41.2 40,41.17 40.02,41.14 40.05,41.11 40.07,41.07 40.09,41.04 40.11,41.01 40.13,40.98 40.15,40.94 40.16,40.91 40.17,40.88 40.19,40.84 40.2,40.81 40.21,40.78 40.22,40.72 40.23,40.69 40.23,40.66 40.24,40.61 40.24,40.59 40.25,40.57 40.25,40.53 40.25,40.5 ; 41.19,44.83 41.2,44.85 41.2,44.87 41.21,44.88 41.22,44.92 41.22,44.97 41.23,44.99 41.24,45.05 41.24,45.08 41.25,45.14 41.25,45.17 41.25,45.21 41.25,45.25 41.24,45.28 41.24,45.32 41.23,45.36 41.23,45.39 41.22,45.43 41.21,45.47 41.19,45.51 41.18,45.55 41.16,45.58 41.14,45.62 41.12,45.66 41.09,45.69 41.08,45.73 41.06,45.77 41.04,45.8 41.03,45.84 41.02,45.88 41.01,45.92 41,45.95 41,45.99 40.99,46.03 40.99,46.06 40.99,46.1 40.99,46.14 40.99,46.17 40.99,46.2 41,46.26 41,46.32 41.01,46.35 41.02,46.39 41.03,46.41 41.03,46.44 41.04,46.47 41.05,46.49 41.06,46.51 41.06,46.53 41.08,46.57 41.09,46.59 41.11,46.63 41.12,46.66 41.13,46.69 41.14,46.71 41.17,46.77 41.18,46.79 41.19,46.81 41.19,46.82 41.2,46.83 41.22,46.85 41.23,46.88 41.24,46.89 41.25,46.91 41.26,46.92 41.27,46.93 41.28,46.94 41.33,47.01 41.34,47.03 41.38,47.07 41.4,47.1 41.42,47.12 41.44,47.14 41.45,47.15 41.46,47.17 41.47,47.18 41.49,47.19 41.51,47.21 41.53,47.23 41.55,47.25 41.57,47.26 41.6,47.28 41.62,47.3 41.68,47.33 41.71,47.35 41.74,47.37 41.78,47.39 41.81,47.4 41.84,47.41 41.88,47.43 41.92,47.44 41.96,47.45 42,47.45 42.03,47.46 42.08,47.46 42.12,47.47 42.2,47.46 42.25,47.46 42.29,47.47 42.33,47.47 42.37,47.48 42.41,47.49 42.44,47.5 42.48,47.51 42.51,47.53 42.55,47.54 42.58,47.56 42.61,47.57 42.64,47.59 42.67,47.61 42.72,47.64 42.75,47.66 42.77,47.68 42.79,47.7 42.81,47.72 42.83,47.73 42.85,47.75 42.86,47.76 42.88,47.77 42.89,47.79 42.91,47.81 43.55,48.58 ; FD7.2 65.86,44.2 65.84,44.19 65.83,44.19 65.8,44.18 65.78,44.17 65.77,44.17 65.73,44.15 65.71,44.15 65.67,44.13 65.65,44.12 65.63,44.11 65.58,44.09 65.56,44.08 65.54,44.08 65.49,44.06 65.47,44.05 65.44,44.03 65.42,44.02 65.39,44.01 65.37,44 65.35,43.99 65.33,43.98 65.31,43.98 65.29,43.97 65.26,43.95 65.23,43.94 65.2,43.92 65.19,43.92 65.16,43.9 65.15,43.89 ; FD16.2 40.14,35.8 40.16,35.81 40.17,35.81 40.2,35.82 40.22,35.83 40.23,35.83 40.27,35.85 40.29,35.85 40.33,35.87 40.35,35.88 40.37,35.89 40.42,35.91 40.44,35.92 40.46,35.92 40.51,35.94 40.53,35.95 40.56,35.97 40.58,35.98 40.61,35.99 40.63,36 40.65,36.01 40.67,36.02 40.69,36.02 40.71,36.03 40.74,36.05 40.77,36.06 